# Allegro board AIC8800D80_EVB_V5-PCB.brd (continued)
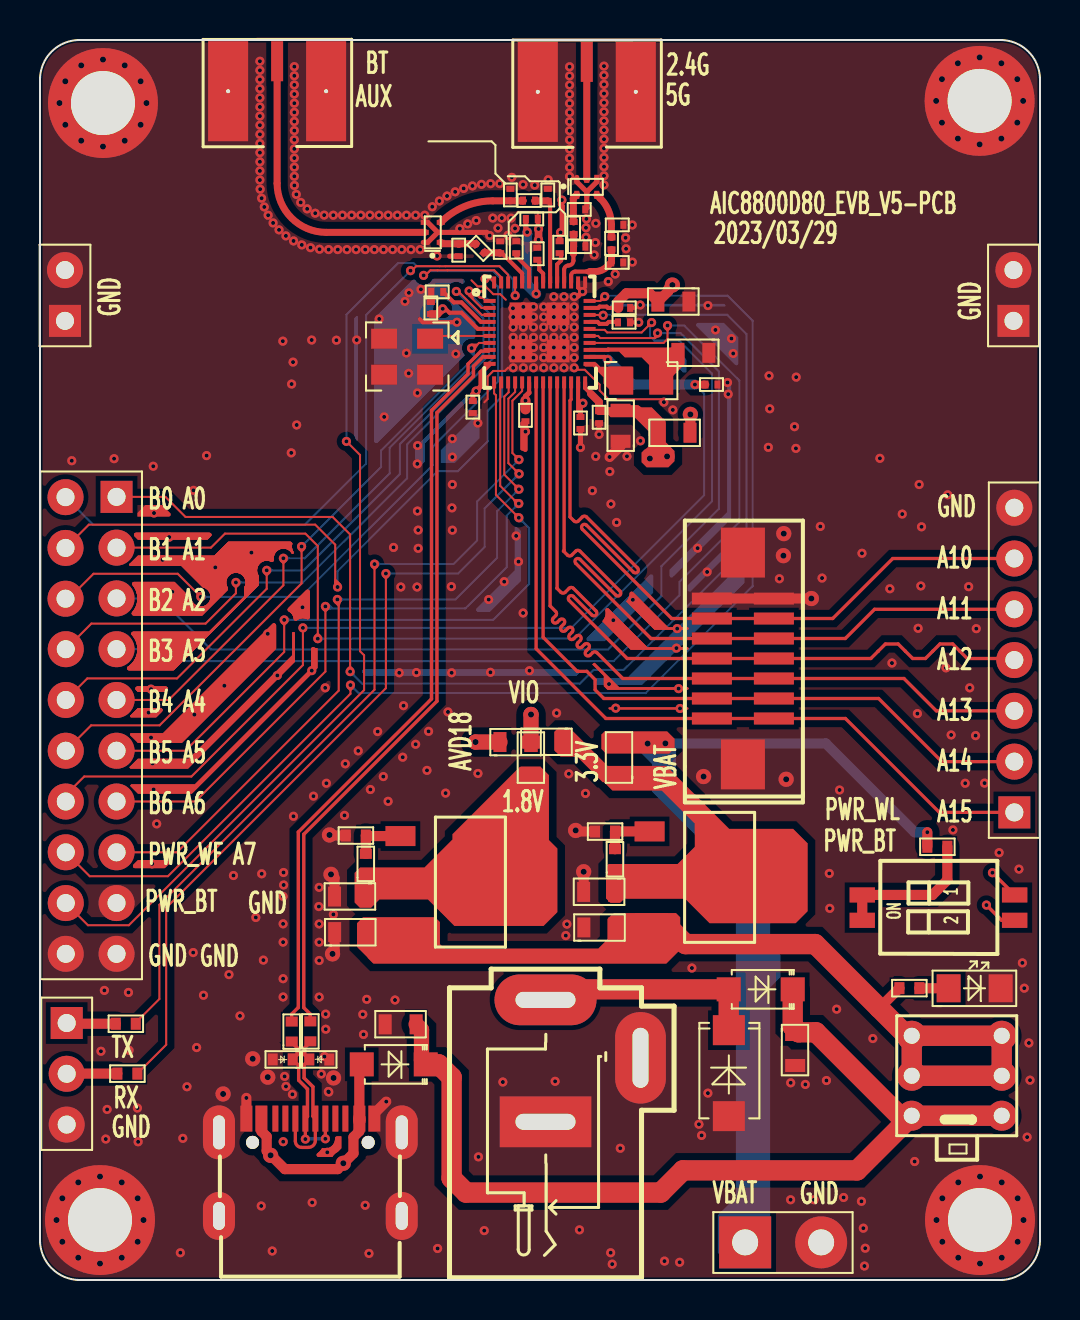
[diagram p0: board, top side]
## Routing (per net, layer and track width the routed paths; a pad name or vN(x,y) marks a point on that pad's centre or on a via; arc(x,y) is an arc through that point) (continued)
VBAT: length 22.4
  TOP w0.203: U8.24 27.26,44.62 27.54,44.34
  TOP w0.381: C21.2 28.98,43.46 C27.2 27.95,43.92 27.54,44.34
  TOP w0.508: R21.2 v1(44.37,22.4) ; C21.2 29.83,43.51 R24.1 30.92,42.35 30.92,41.52 v2(30.49,41.1)
  BOTTOM w0.508: v2(31.27,26.84) 39.29,26.84 43.73,22.4 v1(44.37,22.4)
  vias: v2(30.38,26.84) v2(31.35,41.2)
VCC5V: length 55.9
  TOP w0.508: R18.1 42.96,14.6 41.96,13.6
  TOP w1.016: SW2.1 SW2.4 SW2.5 SW2.2 SW2.1 ; SW2.1 43.34,12.22 38.76,16.8 32.27,16.8 31.24,17.84 U2.3
  L3_VCC w1.016: SW2.2 SW2.1 SW2.4 SW2.5 SW2.2
  BOTTOM w1.016: SW2.4 SW2.5 SW2.2 SW2.1 SW2.4
VCC5V_IN: length 57.1
  TOP w0.508: C31.1 37.76,12.56
  TOP w0.762: C22.1 19.07,12.52 19.07,11 D5.1
  TOP w1.016: D1.1 37.64,12.68 37.93,12.39 38.8,12.39 42.97,8.22 SW2.3 ; SW2.3 40.85,5.49 32.15,5.49 31.04,4.37 21.3,4.37 20.58,5.09 20.58,10.14 19.93,10.79 D5.1 ; SW2.3 SW2.6
  L3_VCC w1.016: SW2.6 SW2.3
  BOTTOM w1.016: SW2.3 SW2.6
BT_AUX_ANT: length 14.9
  TOP w0.349: U1.5 14.31,52.41 arc(12.58,53.13) 11.86,54.86 J4.1
BT_DVDD: length 4.5
  TOP w0.203: U8.42 v1(24.81,49.34)
  TOP w0.254: v1(24.36,52.42) 24.29,52.48 C1.1
  BOTTOM w0.508: v1(24.36,52.42) 24.36,52.3 24.34,52.28 24.34,51.79 24.36,51.78 24.36,49.78 v1(24.81,49.34)
BT_IND: length 1.7
  TOP w0.203: U8.43 24.46,50.57 23.81,51.21 L1.2
DECAP0: length 1.5
  TOP w0.203: C11.2 28.88,47.93 28.43,47.93 28.34,47.83 27.98,47.83 27.88,47.93 U8.31
DECAP1: length 1.3
  TOP w0.203: U8.41 25.16,50.35 24.96,50.54 24.96,50.94 C2.2
DECAP2: length 2.9
  TOP w0.203: U8.4 22.05,47.93 21.07,48.91 20.69,48.91 C14.2
GPIOA0: length 61.1
  TOP w0.102: J11.1 6.27,39.18 7.28,38.17 14.63,38.17 15.51,37.3 v1(15.51,30.44) ; v1(28.16,48.26) 28.14,48.28 U8.32
  BOTTOM w0.102: v1(15.51,30.44) 16.11,29.84 27,29.84 27.68,30.53 29.19,30.53 35.33,36.66 35.33,47.32 34.36,48.29 28.18,48.29 v1(28.16,48.26)
GPIOA1: length 52.2
  TOP w0.102: U8.30 27.53,47.53 28.23,47.53 28.36,47.4 30.08,47.4 v1(30.58,47.9) ; J11.3 8.55,36.64 9.25,37.34 13.27,37.34 13.89,36.72 v1(13.89,32.08)
  BOTTOM w0.102: v1(30.58,47.9) 30.5,47.82 30.5,47.21 30.72,46.99 31.95,46.99 33.6,45.34 33.6,38.96 26.73,32.08 v1(13.89,32.08)
GPIOA2: length 49.3
  TOP w0.102: v1(30.88,47.37) 30.88,47.25 30.75,47.12 28.01,47.12 27.91,47.23 U8.29
  BOTTOM w0.102: v1(30.88,47.37) 31.22,47.37 31.22,47.37 32.03,47.37 33.95,45.45 33.95,38.58 31.07,35.71 31.07,34.21 28.41,31.55 8.55,31.55 6,34.1 J11.5
GPIOA3: length 51.1
  TOP w0.102: U8.28 31.18,46.88 31.38,47.08 v1(31.38,47.75)
  BOTTOM w0.102: v1(31.38,47.75) 32.21,47.75 34.97,45 34.97,37.91 31.97,34.92 31.97,34.25 28.68,30.96 6.54,30.96 5.94,31.56 J11.7
GPIOA4: length 32.9
  TOP w0.102: U8.3 22.09,48.28 20.92,49.45 v1(20.81,49.45) ; v1(12.17,36.11) 12.17,34.75 6.43,29.02 J11.9
  BOTTOM w0.102: v1(20.81,49.45) 22.17,48.1 22.17,46.32 17.48,41.64 17.48,40.35 13.24,36.11 v1(12.17,36.11)
GPIOA5: length 35.8
  TOP w0.102: J11.11 7.27,26.48 12.21,31.42 v1(12.21,33.02) ; U8.11 22.71,44.35 22.8,44.26 22.8,39.28 v1(23.94,38.13)
  BOTTOM w0.102: v1(23.94,38.13) 24.46,37.62 24.46,34.82 22.66,33.02 v1(12.21,33.02)
GPIOA6: length 36.3
  TOP w0.102: v1(14.27,33.7) 14.27,30.44 7.77,23.94 J11.13 ; U8.12 23.01,44.86 23.01,39.73 23.9,38.84 v1(23.94,38.84)
  BOTTOM w0.102: v1(14.27,33.7) 14.37,33.6 21.27,33.6 23.34,35.66 23.34,38.24 v1(23.94,38.84)
GPIOA7: length 37.5
  TOP w0.102: v1(14.87,34.04) 14.94,33.98 14.94,29.48 6.85,21.4 J11.15 ; U8.13 23.43,44.88 23.43,44.41 23.21,44.19 23.21,40.29 v1(23.95,39.56)
  BOTTOM w0.102: v1(23.95,39.56) 22.85,38.46 22.85,36.13 20.77,34.04 v1(14.87,34.04)
GPIOA8: length 45
  TOP w0.102: R20.1 6.31,11.77 6.31,18.62 17.29,29.61 v1(17.29,35.34) ; v1(23.96,40.33) 23.42,40.86 23.42,44.09 23.76,44.42 U8.14
  BOTTOM w0.102: v1(17.29,35.34) 20.91,35.34 22.23,36.67 22.23,38.6 v1(23.96,40.33)
GPIOA9: length 42.7
  TOP w0.102: R19.1 4.79,12.88 5.97,14.06 5.97,18.77 16.72,29.53 v1(16.72,35.81) ; U8.15 24.11,44.47 23.62,43.99 23.62,41.37 v1(23.95,41.04)
  BOTTOM w0.102: v1(16.72,35.81) 20.67,35.81 21.86,37 21.86,38.94 v1(23.95,41.04)
GPIOA10: length 40.3
  TOP w0.163: U8.22 26.56,44.05 26.5,44 26.5,38.17 26.71,37.97 arc(26.81,37.92) 26.91,37.97 27.12,38.17 arc(27.22,38.22) 27.32,38.17 29.88,35.62 arc(29.88,35.41) 29.67,35.41 27.32,37.76 arc(27.12,37.76) 27.12,37.56 31.58,33.09 J3.6 J3.13 39.63,33.09 42.64,36.09 J12.6
GPIOA11: length 39.9
  TOP w0.163: U8.21 26.21,36.5 26.17,36.47 26.38,36.26 arc(26.48,36.22) 26.58,36.26 26.79,36.46 arc(26.89,36.51) 26.99,36.46 29,34.46 arc(29,34.26) 28.79,34.26 26.99,36.05 arc(26.79,36.05) 26.79,35.85 30.55,32.09 J3.5 J3.12 40.26,32.09 41.72,33.55 J12.5
GPIOA12: length 39.9
  TOP w0.163: J12.4 48.64,31.09 46.36,31.09 45.63,31.82 45,31.82 44.27,31.09 43.64,31.09 42.91,31.82 42.27,31.82 41.54,31.09 J3.11 J3.4 29.36,31.09 26.46,33.99 arc(26.46,34.19) 26.67,34.19 27.6,33.26 arc(27.8,33.26) 27.8,33.47 26.67,34.61 arc(26.56,34.65) 26.46,34.61 26.26,34.4 arc(26.15,34.36) 26.05,34.4 25.84,34.61 25.86,34.62 U8.20
GPIOA13: length 40.1
  TOP w0.163: J12.3 44.81,28.47 43.2,30.09 J3.10 J3.3 29.14,30.09 27.84,31.39 arc(27.74,31.43) 27.64,31.39 27.51,31.26 arc(27.3,31.26) 27.3,31.46 27.43,31.59 arc(27.43,31.8) 27.22,31.8 27.1,31.67 arc(26.89,31.67) 26.89,31.87 27.02,32 arc(27.02,32.21) 26.81,32.21 26.68,32.08 arc(26.48,32.08) 26.48,32.28 26.61,32.41 arc(26.61,32.62) 26.4,32.62 26.27,32.49 arc(26.07,32.49) 26.07,32.69 26.2,32.82 arc(26.2,33.03) 25.99,33.03 25.86,32.9 arc(25.66,32.9) 25.66,33.11 25.79,33.23 arc(25.83,33.34) 25.79,33.44 25.51,33.72 U8.19
GPIOA14: length 39.2
  TOP w0.163: J12.2 45.09,25.93 41.93,29.09 J3.9 J3.2 28.19,29.09 27.76,29.53 27.76,30.03 27.34,30.45 26.86,30.45 25.16,32.15 U8.18
GPIOA15: length 40.6
  TOP w0.163: J12.1 44.97,23.39 40.27,28.09 J3.8 J3.1 28.29,28.09 24.81,31.58 U8.17
GPIOB0: length 33
  TOP w0.102: v1(18.52,50.49) 18.58,50.49 18.81,50.72 19.96,50.72 19.97,50.71 20.28,50.71 20.29,50.72 22.97,50.72 23.41,50.28 U8.46
  BOTTOM w0.102: v1(18.52,50.49) 16.3,48.27 16.3,40.84 13.24,37.77 2.66,37.77 J11.2
GPIOB1: length 44.5
  TOP w0.102: J11.4 2.44,37.79 13.76,37.79 14.76,36.79 14.76,34.78 v1(14.88,34.67) ; U8.47 23.06,50.17 22.71,50.51 20.37,50.51 20.37,50.51 19.88,50.51 19.88,50.51 19.52,50.51 19.27,50.26 v1(19.18,50.26)
  BOTTOM w0.102: v1(19.18,50.26) 19.27,50.26 19.48,50.47 22.66,50.47 23.11,50.02 23.11,44.21 22.39,43.48 22.39,41.95 20.9,40.46 19.88,40.46 14.88,35.46 v1(14.88,34.67)
GPIOB2: length 33.7
  TOP w0.102: v1(8.04,34.17) 6.89,35.33 2.67,35.33 1.43,34.08 J11.6 ; v1(22.25,50.09) 22.52,50.09 U8.48
  BOTTOM w0.102: v1(22.25,50.09) 22.51,50.09 22.9,49.69 22.9,44.95 19.63,41.68 19.63,40.76 13.05,34.17 v1(8.04,34.17)
GPIOB3: length 32.8
  TOP w0.102: U8.1 22.3,48.98 22.07,49.2 v1(22.07,49.3) ; v1(9.8,34.9) 9.8,34.35 8.28,32.84 2.57,32.84 J11.8
  BOTTOM w0.102: v1(22.07,49.3) 22.14,49.3 22.7,48.74 22.7,46.15 18.36,41.81 18.36,40.11 13.15,34.9 v1(9.8,34.9)
GPIOB4: length 34.9
  TOP w0.102: v1(21.45,49.48) 21.45,49.48 21.46,49.45 21.46,49.25 22.08,48.63 U8.2 ; J11.10 2.37,30.09 6.85,30.09 11.34,34.58 v1(11.34,35.5)
  BOTTOM w0.102: v1(21.45,49.48) 21.45,49.37 22.46,48.36 22.46,46.28 17.99,41.82 17.99,40.32 13.18,35.5 v1(11.34,35.5)
GPIOB5: length 31.7
  TOP w0.102: J11.12 2.56,27.75 5.98,27.75 13.08,34.85 v1(13.08,36.69) ; v1(21.58,46.62) 21.69,46.62 21.95,46.88 U8.7
  BOTTOM w0.102: v1(13.08,36.69) 17.05,40.67 17.05,41.49 21.69,46.13 21.69,46.5 v1(21.58,46.62)
GPIOB6: length 51.6
  TOP w0.102: J11.14 1.29,24.27 2.21,25.19 7.57,25.19 13.15,30.76 v1(13.15,32.62)
  TOP w0.203: v1(28.39,46.04) 28.38,46.04 28.24,46.18 U8.26
  TOP w0.381: C28.2 v1(32.75,44.79)
  BOTTOM w0.102: v1(32.75,44.79) 33.21,44.33 33.21,39.26 26.56,32.62 v1(13.15,32.62)
  BOTTOM w0.508: v1(32.75,44.79) 29.63,44.79 28.39,46.04 v1(28.39,46.04)
Net_1: length 2.1
  TOP w0.102: 21.57,50.01 21.88,49.7 22.28,49.7 22.66,49.32 23.01,49.32 23.29,49.04
PWR_BT: length 100.3
  TOP w0.102: v1(15.32,41.95) 16,41.27 16,31.46 16.2,31.25 16.2,29.51 4.44,17.75 2.4,17.75 J11.18 ; v1(23.76,49.25) 23.76,49.26 23.76,49.26 U8.45
  TOP w0.17: SW3.2 48.08,17.99 v1(47.32,18.76)
  L3_VCC w0.102: J11.18 2.4,19.97 7.77,19.97 8.93,21.13 41.37,21.13 43.75,18.76 v1(47.32,18.76)
  BOTTOM w0.102: v1(23.76,49.25) 23.76,49.26 23.76,49.26 23.76,49.31 23.66,49.4 23.66,50.04 22.99,50.71 18.84,50.71 18.68,50.87 17.91,50.87 15.32,48.29 v1(15.32,41.95)
PWR_WF: length 113
  TOP w0.102: U8.34 28.02,48.98 v1(28.24,49.2) ; J11.16 2.49,20.2 6.4,20.2 15.52,29.33 v1(15.52,29.76)
  TOP w0.17: SW3.4 v1(47.62,20.37)
  L3_VCC w0.102: v1(47.62,20.37) 43.26,20.37 41.98,21.66 8.6,21.66 7.23,20.28 2.4,20.28 J11.16
  BOTTOM w0.102: v1(28.24,49.2) 28.28,49.24 34.38,49.24 35.63,47.99 35.63,34.71 30.28,29.36 15.92,29.36 v1(15.52,29.76)
RF_BT_ANT: length 1.8
  TOP w0.349: U1.1 20.1,51.84 20.91,51.84 C5.1 20.96,51.84 21.77,51.84 21.78,51.83 ; 21.78,51.83 21.8,51.81 ; 21.78,51.83 L6.1
USB_DM: length 37.5
  TOP w0.17: R14.2 13.52,12.9 13.51,12.89 13.51,13.3 13.19,13.63 13.19,22.3 19.85,28.96 19.85,43.39 21.67,45.22 21.67,45.7 22.16,46.19 22.47,46.19 U8.9
USB_DP: length 38
  TOP w0.17: U8.8 22.42,46.46 22.05,46.46 21.4,45.82 21.4,45.33 19.58,43.51 19.58,29.07 12.92,22.41 12.92,13.63 12.58,13.3 12.58,12.89 12.59,12.9 12.59,12.9 R15.2
VCORE: length 10.4
  TOP w0.203: C18.2 27.02,43.37 26.91,43.49 U8.23
  TOP w0.254: v1(27.14,43.86) 27.02,43.74 27.02,43.37 ; C17.2 21.64,44.31 v1(21.81,44.47) 22.05,44.72 22.05,45.4 U8.10
  L3_VCC w0.508: v1(21.81,44.47) 22.11,44.78 26.23,44.78 v1(27.14,43.86)
VIO: length 19.2
  TOP w0.203: U8.16 24.46,44.39
  TOP w0.254: v1(24.27,43.99) 24.27,44.21 24.46,44.39
  TOP w0.508: C16.2 v1(24.27,43.99)
  TOP w0.762: R29.2 v2(24.55,28.29)
  L3_VCC w0.508: v2(24.55,28.29) 25.22,28.96 25.22,43.05 v1(24.27,43.99)
WF_5G_ANT: length 2.4
  TOP w0.349: U9.3 28.02,54.11 arc(28.42,53.5) C10.1 28.57,52.17 C29.2
WF_24G_ANT: length 1.4
  TOP w0.349: U9.1 26.66,54.11 C8.1 26.66,52.95 L5.2
WF_AUX5G_ANT: length 4.4
  TOP w0.349: C30.2 24.15,53.99 24.15,53.98 C4.1 22.64,53.98 arc(21.23,53.7) U1.3
WF_IND: length 1.6
  TOP w0.203: U8.39 25.86,50.8 26.06,51 26.06,51.29 L2.1
WL_ANT: length 5.9
  TOP w0.349: U9.5 27.34,55.09 J6.1
XTAL0: length 3
  TOP w0.102: Y1.1 19.65,47.23 U8.6
N17021817: length 3.3
  TOP w0.102: C9.1 28.58,50.92
  TOP w0.203: U8.37 26.56,50.24 arc(26.62,50.39) 26.76,50.45 27.5,50.45
  TOP w0.349: 27.5,50.45 27.74,50.45 arc(28.08,50.51) 28.36,50.71 28.58,50.92 C29.1
N17021821: length 2.7
  TOP w0.203: U8.38 26.21,50.53 arc(26.27,50.69) 26.43,50.75 arc(26.6,50.82) 26.67,51 26.67,51.34
  TOP w0.349: 26.67,51.34 C7.1 26.68,51.7 L5.1
N17021825: length 4.8
  TOP w0.203: C3.1 25.51,53.87 U8.40
  TOP w0.349: C30.1 24.75,53.99 24.75,53.98 C3.1
N17021833: length 2.8
  TOP w0.203: U8.44 24.11,50.36 23.1,51.36 C6.1
  TOP w0.349: C6.1 22.98,51.39 22.22,51.39 22.22,51.4 L6.2
N17026336: length 7.5
  TOP w0.163: v1(13.27,7.05) U3.A6 ; v1(14.27,7.06) U3.B6
  TOP w0.17: R15.1 12.59,11.9 12.59,11.9 12.58,11.89 12.86,11.62 12.86,11.26 D4.1 12.93,10.74 12.93,9.99 13.37,9.55 13.37,8.18 U3.A6
  BOTTOM w0.163: v1(14.27,7.06) 13.28,7.06 v1(13.27,7.05)
N17026338: length 8
  TOP w0.163: U3.B7 12.77,6.95 arc(12.86,6.73) 13.08,6.63 13.42,6.63 arc(13.67,6.74) 13.77,6.98 U3.A7
  TOP w0.17: R14.1 13.52,11.9 13.24,11.61 13.24,11.26 D3.1 13.21,10.77 13.21,10.11 13.65,9.67 13.65,8.2 U3.A7
N17026340: length 11.4
  TOP w0.508: 15.17,5.83 15.67,6.34 15.67,7.15 15.97,7.44 15.97,7.98 ; 15.17,5.83 14.89,5.55 12.24,5.55 11.53,6.26 ; 15.17,5.83 v2(15.17,5.84) ; 11.53,6.26 v2(11.53,6.24) ; 11.53,6.26 11.33,6.45 11.33,7.18 11.07,7.44 U3.A4B9 ; D5.2 15.97,10.67 U3.B4A9
  TOP w0.635: U3.B4A9 15.97,7.98
N17027497: length 1.5
  TOP w0.508: R18.2 43.98,14.59 LED1.2
N17028175: length 2.6
  TOP w0.508: R12.2 28.75,22.43 R13.1 28.76,22.44 29.89,22.44 U2.1
N17028269: length 2.7
  TOP w0.508: U4.1 17.49,22.21 16.32,22.21 R17.1 16.29,21.32 R16.2
N17028696: length 2.5
  TOP w0.508: R19.2 1.37,12.82 J10.1
N17028709: length 2.5
  TOP w0.508: J10.2 1.35,10.33 R20.2
N17030711: length 7.5
  TOP w0.508: SW3.1 SW3.3 44.62,19.26 45.37,20.01 R21.1
N17075495: length 11.4
  TOP w1.016: D2.2 34.44,12.5 D1.2 25.8,14.54 CON5.2

## Copper pours and planes (outline as drawn; the poured copper is in the pictures)
AVDD13 on TOP (solid shape): 32.22,46.71 32.22,45.8 31.6,45.18 31.6,44.57 31.44,44.4 30.69,44.4 30.46,44.64 30.46,45.78 30.08,46.15 29.24,46.15 28.95,46.44 28.95,46.53 28.8,46.53 28.79,46.52 28.73,46.52 28.72,46.53 28.72,46.59 31.51,46.59 31.74,46.83 32.11,46.83
GND on TOP (solid shape): 28.96,29.65 32.39,29.65 32.41,29.63 32.43,29.59 32.41,29.55 32.39,29.53 28.37,29.53 28.19,29.71 28.19,30.21 27.61,30.79 27.66,30.84 27.73,30.88
GND on TOP (solid shape): 12.74,32.36 12.74,30.93 7.4,25.59 4.54,25.59 4.49,25.63 4.5,25.68 4.57,25.74 4.89,26.07 7.44,26.07 12.62,31.25 12.62,32.39 12.71,32.41
GND on TOP (solid shape): 12.74,32.36 12.74,30.93 7.4,25.59 4.54,25.59 4.49,25.63 4.5,25.68 4.57,25.74 4.89,26.07 7.44,26.07 12.62,31.25 12.62,32.39 12.71,32.41
GND on TOP (solid shape): 28.96,29.65 32.39,29.65 32.41,29.63 32.43,29.59 32.41,29.55 32.39,29.53 28.37,29.53 28.19,29.71 28.19,30.21 27.61,30.79 27.66,30.84 27.73,30.88
GND on TOP (solid shape): 12.71,32.41 12.74,32.36 12.74,30.93 7.4,25.59 4.54,25.59 4.49,25.63 4.5,25.68 4.57,25.74 4.89,26.07 7.44,26.07 12.62,31.25 12.62,32.39
GND on TOP (solid shape): 12.74,32.36 12.74,30.93 7.4,25.59 4.54,25.59 4.49,25.63 4.5,25.68 4.57,25.74 4.89,26.07 7.44,26.07 12.62,31.25 12.62,32.39 12.71,32.41
GND on TOP (solid shape): 11.62,32.82 11.71,32.85 11.78,32.79 11.8,32.76 11.8,31.59 7.1,26.88 4.89,26.88 4.57,27.21 4.52,27.25 4.51,27.31 4.56,27.34 6.15,27.34
GND on TOP (solid shape): 11.62,32.82 11.71,32.85 11.78,32.79 11.8,32.76 11.8,31.59 7.1,26.88 4.89,26.88 4.52,27.25 4.51,27.31 4.56,27.34 6.15,27.34
GND on TOP (solid shape): 11.62,32.82 11.71,32.85 11.78,32.79 11.8,32.76 11.8,31.59 7.1,26.88 4.89,26.88 4.52,27.25 4.51,27.31 4.56,27.34 6.15,27.34
GND on TOP (solid shape): 11.62,32.82 11.71,32.85 11.78,32.79 11.8,32.76 11.8,31.59 7.1,26.88 4.89,26.88 4.52,27.25 4.51,27.31 4.56,27.34 6.15,27.34
GND on TOP (solid shape): 13.55,31.55 13.6,31.63 13.69,31.64 13.76,31.62 13.82,31.61 13.86,31.6 13.86,30.61 7.6,24.34 4.89,24.34 4.57,24.67 4.54,24.69 4.53,24.75 4.58,24.78 7.74,24.78 13.55,30.59
GND on TOP (solid shape): 29.54,34.43 29.65,34.4 31.4,32.65 32.39,32.65 32.41,32.63 32.43,32.59 32.41,32.55 32.39,32.53 30.73,32.53 29.31,33.95 29.34,33.98 29.44,34.15 29.48,34.34
GND on TOP (solid shape): 13.55,31.55 13.6,31.63 13.69,31.64 13.76,31.62 13.82,31.61 13.86,31.6 13.86,30.61 7.6,24.34 4.89,24.34 4.54,24.69 4.53,24.75 4.58,24.78 7.74,24.78 13.55,30.59
GND on TOP (solid shape): 13.55,31.55 13.6,31.63 13.69,31.64 13.76,31.62 13.82,31.61 13.86,31.6 13.86,30.61 7.6,24.34 4.89,24.34 4.54,24.69 4.53,24.75 4.58,24.78 7.74,24.78 13.55,30.59
GND on TOP (solid shape): 13.55,31.55 13.6,31.63 13.69,31.64 13.76,31.62 13.82,31.61 13.86,31.6 13.86,30.61 7.6,24.34 4.89,24.34 4.54,24.69 4.53,24.75 4.58,24.78 7.74,24.78 13.55,30.59
GND on TOP (solid shape): 29.54,34.43 29.65,34.41 31.4,32.65 32.39,32.65 32.41,32.63 32.43,32.59 32.41,32.55 32.39,32.53 30.73,32.53 29.31,33.95 29.34,33.98 29.39,34.06 29.43,34.14 29.47,34.24 29.48,34.34
GND on TOP (solid shape): 28.32,33.6 28.44,33.58 30.37,31.65 32.39,31.65 32.41,31.63 32.43,31.59 32.41,31.55 32.39,31.53 29.54,31.53 28.11,32.95 28.14,32.99 28.26,33.22 28.27,33.49
GND on TOP (solid shape): 28.32,33.6 28.44,33.58 30.37,31.65 32.39,31.65 32.41,31.63 32.43,31.59 32.41,31.55 32.39,31.53 29.54,31.53 28.11,32.95 28.14,32.99 28.26,33.22 28.27,33.49
GND on TOP (solid shape): 12.51,36.93 12.59,36.89 12.61,36.81 12.6,36.62 12.66,36.44 12.67,36.43 12.67,36.34 12.59,36.34 12.58,36.36 12,36.56 11.69,36.04 11.65,35.94 11.55,35.94 10.98,35.82 10.93,35.24 10.93,34.75 6.68,30.5 4.46,30.5 4.36,30.57 4.4,30.69 4.86,31.43 4.6,32.26 4.58,32.37 4.67,32.43 8.45,32.43 10.2,34.19 10.2,34.64 9.8,35.38 9.38,34.65 9.39,34.64 9.39,34.52 8.11,33.24 4.69,33.24 4.6,33.3 4.61,33.41 4.87,34.08 4.63,34.76 4.62,34.86 4.71,34.92 6.72,34.92 7.57,34.07 7.57,34.06 8.38,33.83 8.16,34.64 8.15,34.65 7.06,35.74 4.51,35.74 4.47,35.77 4.48,35.83 4.52,35.86 4.57,35.9 4.89,36.23 8.71,36.23 9.42,36.93
GND on TOP (solid shape): 12.51,36.93 12.59,36.89 12.61,36.81 12.6,36.76 12.61,36.6 12.66,36.44 12.67,36.43 12.67,36.34 12.59,36.34 12.58,36.36 12,36.56 11.69,36.04 11.65,35.94 11.55,35.93 11.19,35.96 10.91,35.73 10.85,35.48 10.93,35.24 10.93,34.75 6.68,30.5 4.46,30.5 4.36,30.57 4.4,30.69 4.74,31.05 4.87,31.53 4.8,31.92 4.6,32.26 4.58,32.37 4.67,32.43 8.45,32.43 10.2,34.19 10.2,34.64 9.8,35.38 9.38,34.65 9.39,34.64 9.39,34.52 8.11,33.24 4.69,33.24 4.6,33.3 4.61,33.41 4.68,33.5 4.74,33.6 4.86,34.2 4.63,34.76 4.62,34.86 4.71,34.92 6.72,34.92 7.57,34.07 7.57,34.06 8.38,33.83 8.16,34.64 8.15,34.65 7.06,35.74 4.51,35.74 4.47,35.77 4.48,35.83 4.57,35.9 4.89,36.23 8.71,36.23 9.42,36.93
GND on TOP (solid shape): 12.51,36.93 12.59,36.89 12.61,36.81 12.6,36.76 12.61,36.6 12.66,36.44 12.67,36.43 12.67,36.34 12.59,36.34 12.58,36.36 12,36.56 11.69,36.04 11.65,35.94 11.55,35.93 11.34,35.98 11.14,35.94 10.98,35.83 10.88,35.66 10.86,35.44 10.93,35.24 10.93,34.75 6.68,30.5 4.46,30.5 4.36,30.57 4.4,30.69 4.41,30.7 4.74,31.06 4.87,31.53 4.8,31.92 4.6,32.26 4.58,32.37 4.67,32.43 8.45,32.43 10.2,34.19 10.2,34.64 9.8,35.38 9.38,34.65 9.39,34.64 9.39,34.52 8.11,33.24 4.69,33.24 4.6,33.3 4.61,33.41 4.68,33.5 4.74,33.6 4.86,34.2 4.63,34.76 4.62,34.86 4.71,34.92 6.72,34.92 7.57,34.07 7.57,34.06 8.38,33.83 8.16,34.64 8.15,34.65 7.06,35.74 4.51,35.74 4.47,35.77 4.48,35.83 4.57,35.9 4.89,36.23 8.71,36.23 9.42,36.93
GND on TOP (solid shape): 12.51,36.93 12.59,36.89 12.61,36.81 12.6,36.76 12.61,36.6 12.66,36.44 12.67,36.43 12.67,36.34 12.59,36.34 12.58,36.36 12,36.56 11.69,36.04 11.65,35.94 11.55,35.93 11.5,35.96 11.22,35.97 10.98,35.82 10.92,35.75 10.88,35.66 10.86,35.44 10.93,35.24 10.93,34.75 6.68,30.5 4.46,30.5 4.36,30.57 4.4,30.69 4.55,30.8 4.67,30.94 4.81,31.22 4.87,31.53 4.8,31.92 4.6,32.26 4.58,32.37 4.67,32.43 8.45,32.43 10.2,34.19 10.2,34.64 9.8,35.38 9.38,34.65 9.39,34.64 9.39,34.52 8.11,33.24 4.69,33.24 4.6,33.3 4.61,33.41 4.68,33.5 4.74,33.6 4.86,34.2 4.63,34.76 4.62,34.86 4.71,34.92 6.72,34.92 7.57,34.07 7.57,34.06 8.38,33.83 8.16,34.64 8.15,34.65 7.06,35.74 4.51,35.74 4.47,35.77 4.48,35.83 4.57,35.9 4.89,36.23 8.71,36.23 9.42,36.93
GND on BOTTOM (solid shape): 32.32,46.05 32.32,45.4 32.15,45.4 31.28,46.27 31.28,46.58 31.78,46.58
GND on BOTTOM (solid shape): 21.81,43.28 21.92,43.3 21.98,43.21 21.98,42.12 20.73,40.87 20.04,40.87 20.04,41.51
GND on BOTTOM (solid shape): 15.81,48.2 15.87,48.21 15.9,48.17 15.9,42.04 15.8,42.03 15.79,42.07 15.76,42.14 15.73,42.21 15.73,48.12
GND on BOTTOM (solid shape): 15.81,48.2 15.87,48.21 15.9,48.17 15.9,41.99 15.8,41.99 15.8,42.03 15.77,42.13 15.73,42.21 15.73,48.12
GND on BOTTOM (solid shape): 15.81,48.2 15.87,48.21 15.9,48.17 15.9,42.04 15.8,42.03 15.78,42.11 15.76,42.15 15.75,42.18 15.73,42.21 15.73,48.12
GND on BOTTOM (solid shape): 23.84,37.66 24.05,37.45 24.05,34.99 22.49,33.43 21.92,33.43 21.83,33.49 21.85,33.6 23.74,35.49 23.74,37.67 23.8,37.67
GND on BOTTOM (solid shape): 23.84,37.66 24.05,37.45 24.05,34.99 22.49,33.43 21.92,33.43 21.83,33.49 21.85,33.6 23.74,35.49 23.74,37.67 23.8,37.67
GND on BOTTOM (solid shape): 30.49,35.27 30.6,35.29 30.66,35.2 30.66,34.37 28.24,31.95 27.42,31.95 27.32,32.01 27.34,32.13
GND on BOTTOM (solid shape): 34.75,37.12 34.86,37.14 34.92,37.05 34.92,36.83 32.55,34.46 32.44,34.44 32.38,34.53 32.38,34.75
GND on BOTTOM (solid shape): 21.29,44.17 21.37,44.19 21.44,44.16 21.48,44.11 19.23,41.85 19.23,40.93 18.94,40.64 18.82,40.62 18.76,40.71 18.76,41.64
GND on BOTTOM (solid shape): 21.29,44.17 21.36,44.19 21.44,44.16 21.48,44.11 19.23,41.85 19.23,40.93 18.94,40.64 18.82,40.62 18.76,40.71 18.76,41.64
GND on BOTTOM (solid shape): 21.29,44.17 21.36,44.19 21.44,44.16 21.48,44.11 19.23,41.85 19.23,40.93 18.94,40.64 18.82,40.62 18.76,40.71 18.76,41.64
GND on BOTTOM (solid shape): 23.84,37.66 24.05,37.45 24.05,34.99 22.49,33.43 21.92,33.43 21.83,33.49 21.85,33.6 23.74,35.49 23.74,37.67 23.8,37.67
GND on BOTTOM (solid shape): 34.35,44.79 34.41,44.89 34.53,44.86 34.56,44.83 34.56,38.08 31.65,35.17 31.54,35.15 31.48,35.24 31.48,35.54 34.35,38.41
GND on BOTTOM (solid shape): 35.05,35.81 35.16,35.83 35.23,35.74 35.23,34.88 30.12,29.77 27.75,29.77 27.66,29.83 27.68,29.94 27.85,30.12 29.36,30.12
GND on BOTTOM (solid shape): 21.12,50.06 21.14,50.06 21.17,50.05 21.19,50.04 21.21,50.01 21.22,49.99 21.23,49.96 21.22,49.93 21.21,49.9 21.19,49.88 21.12,49.83 21.1,49.84 21.04,49.88 20.99,49.9 20.93,49.92 20.87,49.93 20.81,49.94 20.74,49.93 20.68,49.92 20.63,49.9 20.57,49.87 20.52,49.84 20.47,49.79 20.43,49.75 20.4,49.7 20.37,49.64 20.35,49.58 20.34,49.52 20.33,49.46 20.33,49.4 20.34,49.34 20.36,49.28 20.39,49.22 20.42,49.17 20.46,49.12 20.51,49.08 20.56,49.04 20.61,49.01 20.67,48.99 20.71,48.98 21.76,47.93 21.76,47.19 21.76,47.18 21.75,47.15 21.74,47.13 21.71,47.11 21.69,47.1 21.66,47.09 21.61,47.1 21.55,47.1 21.49,47.09 21.43,47.08 21.37,47.05 21.32,47.02 21.27,46.99 21.22,46.95 21.18,46.9 21.15,46.85 21.13,46.79 21.11,46.73 21.1,46.67 21.09,46.61 21.1,46.55 21.11,46.49 21.13,46.43 21.16,46.37 21.19,46.32 21.24,46.26 16.88,41.9 16.87,41.89 16.85,41.88 16.82,41.87 16.79,41.87 16.76,41.88 16.74,41.9 16.72,41.93 16.71,41.96 16.71,41.97 16.71,48.1 17.19,48.58 19.65,48.58 19.66,48.52 19.67,48.46 19.69,48.4 19.71,48.35 19.75,48.3 19.79,48.25 19.83,48.21 19.88,48.17 19.94,48.14 20,48.12 20.06,48.11 20.12,48.1 20.18,48.1 20.24,48.11 20.3,48.13 20.36,48.16 20.41,48.19 20.46,48.23 20.5,48.27 20.54,48.32 20.57,48.37 20.59,48.43 20.61,48.49 20.62,48.55 20.62,48.62 20.61,48.68 20.59,48.74 20.57,48.79 20.54,48.85 20.5,48.9 20.46,48.94 20.41,48.98 20.36,49.01 20.3,49.04 20.24,49.06 20.18,49.07 20.12,49.07 20.06,49.06 20,49.05 19.94,49.03 19.88,49 19.83,48.96 19.79,48.92 19.75,48.87 19.71,48.82 19.69,48.77 19.67,48.71 19.66,48.65 19.65,48.58 17.19,48.58 18.63,50.02 18.72,50.04 18.74,50.04 18.78,49.99 18.81,49.94 18.86,49.9 18.91,49.86 18.96,49.83 19.02,49.8 19.08,49.78 19.14,49.78 19.2,49.77 19.26,49.78 19.33,49.8 19.38,49.82 19.44,49.85 19.49,49.89 19.53,49.93 19.57,49.98 19.64,50.06
GND on BOTTOM (solid shape): 21.12,50.06 21.14,50.06 21.17,50.05 21.19,50.04 21.21,50.01 21.22,49.99 21.23,49.96 21.22,49.93 21.21,49.91 21.19,49.88 21.12,49.83 21.02,49.89 20.96,49.91 20.9,49.93 20.84,49.94 20.77,49.93 20.71,49.92 20.65,49.91 20.59,49.88 20.54,49.85 20.49,49.81 20.45,49.77 20.41,49.72 20.38,49.66 20.36,49.6 20.34,49.54 20.33,49.48 20.33,49.42 20.34,49.36 20.36,49.3 20.38,49.24 20.41,49.18 20.45,49.13 20.5,49.09 20.55,49.05 20.61,49.02 20.67,48.99 20.71,48.98 21.76,47.93 21.76,47.19 21.76,47.18 21.75,47.15 21.74,47.13 21.71,47.11 21.69,47.1 21.66,47.09 21.62,47.1 21.55,47.1 21.49,47.09 21.43,47.08 21.37,47.05 21.32,47.02 21.27,46.99 21.22,46.95 21.18,46.9 21.15,46.85 21.13,46.79 21.11,46.73 21.1,46.67 21.09,46.61 21.1,46.55 21.11,46.49 21.13,46.43 21.16,46.37 21.19,46.32 21.24,46.26 16.88,41.9 16.87,41.89 16.85,41.88 16.82,41.87 16.79,41.87 16.76,41.88 16.74,41.9 16.72,41.93 16.71,41.96 16.71,41.97 16.71,48.1 17.19,48.58 19.65,48.58 19.66,48.52 19.67,48.46 19.69,48.4 19.71,48.35 19.75,48.3 19.79,48.25 19.83,48.21 19.88,48.17 19.94,48.14 20,48.12 20.06,48.11 20.12,48.1 20.18,48.1 20.24,48.11 20.3,48.13 20.36,48.16 20.41,48.19 20.46,48.23 20.5,48.27 20.54,48.32 20.57,48.37 20.59,48.43 20.61,48.49 20.62,48.55 20.62,48.62 20.61,48.68 20.59,48.74 20.57,48.79 20.54,48.85 20.5,48.9 20.46,48.94 20.41,48.98 20.36,49.01 20.3,49.04 20.24,49.06 20.18,49.07 20.12,49.07 20.06,49.06 20,49.05 19.94,49.03 19.88,49 19.83,48.96 19.79,48.92 19.75,48.87 19.71,48.82 19.69,48.77 19.67,48.71 19.66,48.65 19.65,48.58 17.19,48.58 18.63,50.02 18.71,50.05 18.76,50.02 18.78,49.98 18.82,49.94 18.86,49.89 18.91,49.86 18.96,49.83 19.01,49.8 19.07,49.79 19.13,49.78 19.2,49.77 19.26,49.78 19.32,49.79 19.38,49.82 19.44,49.85 19.49,49.88 19.53,49.93 19.57,49.98 19.64,50.06
GND on BOTTOM (solid shape): 21.12,50.06 21.14,50.06 21.17,50.05 21.19,50.04 21.21,50.01 21.22,49.99 21.23,49.96 21.22,49.93 21.21,49.91 21.19,49.88 21.12,49.83 21.1,49.84 21.05,49.88 20.99,49.9 20.94,49.92 20.88,49.93 20.82,49.94 20.76,49.93 20.7,49.92 20.64,49.9 20.58,49.88 20.53,49.84 20.48,49.81 20.44,49.76 20.41,49.71 20.38,49.66 20.35,49.6 20.34,49.54 20.33,49.48 20.33,49.42 20.34,49.36 20.36,49.3 20.38,49.24 20.41,49.19 20.45,49.13 20.5,49.09 20.55,49.05 20.61,49.02 20.67,48.99 20.71,48.98 21.76,47.93 21.76,47.19 21.76,47.18 21.75,47.15 21.74,47.13 21.71,47.11 21.69,47.1 21.66,47.09 21.61,47.1 21.55,47.1 21.49,47.09 21.43,47.08 21.37,47.05 21.32,47.02 21.27,46.99 21.22,46.95 21.18,46.9 21.15,46.85 21.13,46.79 21.11,46.73 21.1,46.67 21.09,46.61 21.1,46.55 21.11,46.49 21.13,46.43 21.16,46.37 21.19,46.32 21.24,46.26 16.88,41.9 16.87,41.89 16.85,41.88 16.82,41.87 16.79,41.87 16.76,41.88 16.74,41.9 16.72,41.93 16.71,41.96 16.71,41.97 16.71,48.1 17.19,48.58 19.65,48.58 19.66,48.52 19.67,48.46 19.69,48.4 19.71,48.35 19.75,48.3 19.79,48.25 19.83,48.21 19.88,48.17 19.94,48.14 20,48.12 20.06,48.11 20.12,48.1 20.18,48.1 20.24,48.11 20.3,48.13 20.36,48.16 20.41,48.19 20.46,48.23 20.5,48.27 20.54,48.32 20.57,48.37 20.59,48.43 20.61,48.49 20.62,48.55 20.62,48.62 20.61,48.68 20.59,48.74 20.57,48.79 20.54,48.85 20.5,48.9 20.46,48.94 20.41,48.98 20.36,49.01 20.3,49.04 20.24,49.06 20.18,49.07 20.12,49.07 20.06,49.06 20,49.05 19.94,49.03 19.88,49 19.83,48.96 19.79,48.92 19.75,48.87 19.71,48.82 19.69,48.77 19.67,48.71 19.66,48.65 19.65,48.58 17.19,48.58 18.63,50.02 18.71,50.05 18.76,50.02 18.78,49.98 18.82,49.94 18.86,49.89 18.91,49.86 18.96,49.83 19.01,49.8 19.07,49.79 19.13,49.78 19.19,49.77 19.25,49.78 19.32,49.79 19.38,49.82 19.43,49.85 19.49,49.88 19.53,49.93 19.57,49.98 19.64,50.06
GND on TOP: 11.48,61.91 11.48,59.97 11.53,59.92 12.18,59.92 12.23,59.97 12.23,61.91 26.96,61.91 26.96,59.94 27.01,59.89 27.66,59.89 27.71,59.94 27.71,61.91 48.02,61.91 49.33,61.36 49.87,60.05 49.87,2 49.32,0.68 48,0.13 2,0.13 0.68,0.68 0.13,2 0.13,60.05 0.67,61.36 1.98,61.91 ; 8 cut-outs
GND on L2_GND: 11.48,61.91 11.48,59.97 11.53,59.92 12.18,59.92 12.23,59.97 12.23,61.91 26.96,61.91 26.96,59.94 27.01,59.89 27.66,59.89 27.71,59.94 27.71,61.91 48.02,61.91 49.33,61.36 49.87,60.05 49.87,2 49.32,0.68 48,0.13 2,0.13 0.68,0.68 0.13,2 0.13,60.05 0.67,61.36 1.98,61.91 ; 1 cut-out
VBAT on TOP (solid shape): 31.73,27.08 31.73,26.61 31.45,26.34 28.3,26.34 28.07,26.57 28.07,27.28 28.23,27.45 31.36,27.45
VBAT on TOP (solid shape): 27.8,43.86 27.86,43.95 27.97,43.93 28.25,43.66 30.58,43.66 31.28,42.95 31.28,41.91 31.72,41.47 31.72,40.96 31.42,40.65 30.33,40.65 30.08,40.91 30.08,41.39 30.22,41.54 30.43,41.72 30.5,41.99 30.48,42.14 30.41,42.27 30.41,42.48 29.72,43.17 29.72,43.16 28.53,43.16 28.37,43.32 28.1,43.32 28,43.34 27.9,43.34 27.87,43.34 27.8,43.41
VBAT on BOTTOM (solid shape): 31.8,26.96 31.8,24.97 36.51,20.26 36.51,16.78 37.02,16.27 37.02,15.15 36.51,14.63 36.51,1.15 36.04,0.67 34.58,0.67 33.89,1.37 33.89,3.25 34.79,4.16 34.79,20.24 30.61,24.42 30.61,25.81 29.83,26.59 29.83,27.19 29.96,27.32 31.44,27.32
VBAT on L3_VCC (solid shape): 31.74,41.46 31.74,33.47 31.31,33.04 31.31,27.74 31.71,27.35 31.74,27.35 31.74,26.64 31.38,26.28 30.38,26.28 29.98,26.67 29.98,26.67 29.98,33.68 30.12,34.03 29.98,34.37 29.98,41.28 30.24,41.55 30.3,41.58 31.61,41.58
VCC5V on TOP (solid shape): 32.01,18.14 32.01,16.52 31.32,15.83 16.67,15.83 16.38,16.12 16.38,16.13 15.85,16.66 15.85,17.85 16.15,18.15 19.75,18.15 20,17.9 20,16.8 20.22,16.58 27.92,16.58 28.37,17.04 28.37,18.06 28.67,18.36 31.8,18.36
VCC18 on TOP (solid shape): 25.45,25.26 25.45,22.01 25.87,21.59 25.87,18.4 25.18,17.71 20.72,17.71 20.38,18.05 20.38,18.06 19.91,18.53 19.9,18.53 19.4,19.04 16.97,19.04 16.56,18.62 15.99,18.62 15.73,18.88 15.73,20.36 16.01,20.64 19.22,20.64 20.62,22.04 20.62,22.3 23.99,25.67 25.03,25.67
VCC33 on TOP (solid shape): 28.38,25.72 31.31,25.72 34.46,22.57 37.66,22.57 38.38,21.84 38.38,18.45 37.78,17.85 33.48,17.85 32.26,19.07 29.21,19.07 29,18.87 28.52,18.87 28.3,19.09 28.3,20.67 28.44,20.81 31.88,20.81 32.74,21.67 32.74,22.83 31.09,24.49 28.62,24.49 28.21,24.9 28.21,24.91 28.13,24.91 26.86,26.18 26.03,26.18 25.71,26.5 25.71,27.42 25.91,27.62 26.48,27.62
N17022732 on TOP (solid shape): 27.48,45.89 27.82,45.89 28.02,45.68 29.59,45.68 29.65,45.62 29.65,44.68 29.5,44.53 28.49,44.53 28.17,44.85 28.17,45.16 27.65,45.69 27.26,45.69 27.19,45.76 27.19,45.83 27.25,45.89 27.47,45.89
GND on TOP (solid shape): 8.47,37.38 8.56,37.32 8.54,37.21 8.38,37.04 4.89,37.04 4.73,37.21 4.71,37.32 4.8,37.38
GND on TOP (solid shape): 8.47,37.38 8.56,37.32 8.54,37.21 8.38,37.04 4.89,37.04 4.73,37.21 4.71,37.32 4.8,37.38
GND on TOP (solid shape): 8.47,37.38 8.56,37.32 8.54,37.21 8.38,37.04 4.89,37.04 4.73,37.21 4.71,37.32 4.8,37.38
GND on TOP (solid shape): 8.47,37.38 8.56,37.32 8.54,37.21 8.38,37.04 4.89,37.04 4.73,37.21 4.71,37.32 4.8,37.38
GND on TOP (solid shape): 15.06,6.59 14.88,6.41 14.73,6.3 14.62,6.16 13.93,6.16 13.84,6.23 13.87,6.34 14.01,6.46 14.11,6.61 14.55,6.68 14.75,7.08 14.78,7.15 14.85,7.18 15.06,7.18
GND on TOP (solid shape): 13.31,34.5 13.42,34.52 13.48,34.43 13.48,33.16 13.44,33.07 13.34,33.06 13.09,33.1 12.85,33.01 12.75,32.99 12.69,33.07 12.61,33.29 12.44,33.45 12.39,33.52 12.41,33.61
GND on TOP (solid shape): 13.31,34.5 13.42,34.52 13.48,34.43 13.48,33.16 13.44,33.07 13.34,33.06 13.09,33.1 12.85,33.01 12.75,32.99 12.69,33.07 12.61,33.29 12.44,33.45 12.39,33.52 12.41,33.61
GND on TOP (solid shape): 13.31,34.5 13.42,34.52 13.48,34.43 13.48,33.16 13.44,33.07 13.34,33.06 13.09,33.1 12.85,33.01 12.75,32.99 12.69,33.07 12.61,33.29 12.44,33.45 12.39,33.52 12.41,33.61
GND on TOP (solid shape): 13.31,34.5 13.42,34.52 13.48,34.43 13.48,33.16 13.44,33.07 13.34,33.06 13.09,33.1 12.85,33.01 12.75,32.99 12.69,33.08 12.61,33.29 12.44,33.45 12.39,33.52 12.41,33.61
GND on TOP (solid shape): 15.06,6.59 14.88,6.41 14.81,6.37 14.76,6.33 14.68,6.25 14.62,6.16 13.93,6.16 13.84,6.23 13.87,6.34 14.01,6.46 14.11,6.61 14.28,6.58 14.44,6.61 14.56,6.68 14.65,6.77 14.68,6.82 14.74,6.94 14.75,7.08 14.78,7.15 14.85,7.18 15.06,7.18
GND on BOTTOM (solid shape): 26.89,30.55 26.98,30.49 26.96,30.38 26.83,30.24 16.27,30.24 16.14,30.38 16.12,30.49 16.21,30.55
GND on BOTTOM (solid shape): 26.89,30.55 26.98,30.49 26.96,30.38 26.83,30.24 16.27,30.24 16.14,30.38 16.12,30.49 16.21,30.55
GND on BOTTOM (solid shape): 26.89,30.55 26.98,30.49 26.96,30.38 26.83,30.24 16.27,30.24 16.14,30.38 16.12,30.49 16.21,30.55
GND on BOTTOM (solid shape): 34.92,47.15 34.92,45.86 34.86,45.77 34.75,45.79 32.83,47.71 32.81,47.82 32.9,47.88 34.19,47.88
GND on BOTTOM: 21.17,0.13 21.17,0.13 2,0.13 0.68,0.68 0.13,2 0.13,60.05 0.67,61.36 1.98,61.91 48.02,61.91 49.33,61.36 49.87,60.05 49.87,2 49.32,0.68 48,0.13 29.62,0.13 29.62,0.13 ; 2 cut-outs
GND on L3_VCC: 30.12,0.13 30.12,0.11 20.26,0.11 20.26,0.13 2,0.13 0.68,0.68 0.13,2 0.13,60.05 0.67,61.36 1.98,61.91 48.02,61.91 49.33,61.36 49.87,60.05 49.87,2 49.32,0.68 48,0.13 ; 3 cut-outs

Small or netless copper shapes (teardrops, artwork), in the pictures only: 42 on TOP, 22 on BOTTOM

## Text on the board
Ref Des/Silkscreen Top: GND | TX | RX | PWR_BT | B0 A0 | B1 A1 | B2 A2 | B3 A3 | B4 A4 | B5 A5 | B6 A6 | PWR_WF A7 | AUX | BT | 1.8V | VIO | 5G | 2.4G | AIC8800D80_EVB_V5-PCB | VBAT | 2023/03/29 | PWR_WL | A10 | A11 | A12 | A13 | A14 | A15 | AVD18 | 3.3V
NCLEGEND-1-4: FIGURE | SIZE | 7.874 | 8.0 | 12.0 | 25.591 | 31.496 | 35.433 | 51.181 | 125.984 | 55.118x23.622 | 66.929x23.622 | 118.11x31.496 | DRILL CHART: TOP to BOTTOM | ALL UNITS ARE IN MILS | PLATED | QTY | 60 | 479 | 48 | 24 | 2 | 6 | 29 | 5 | 4 | 1
